# KiCad board Azusa.kicad_pcb
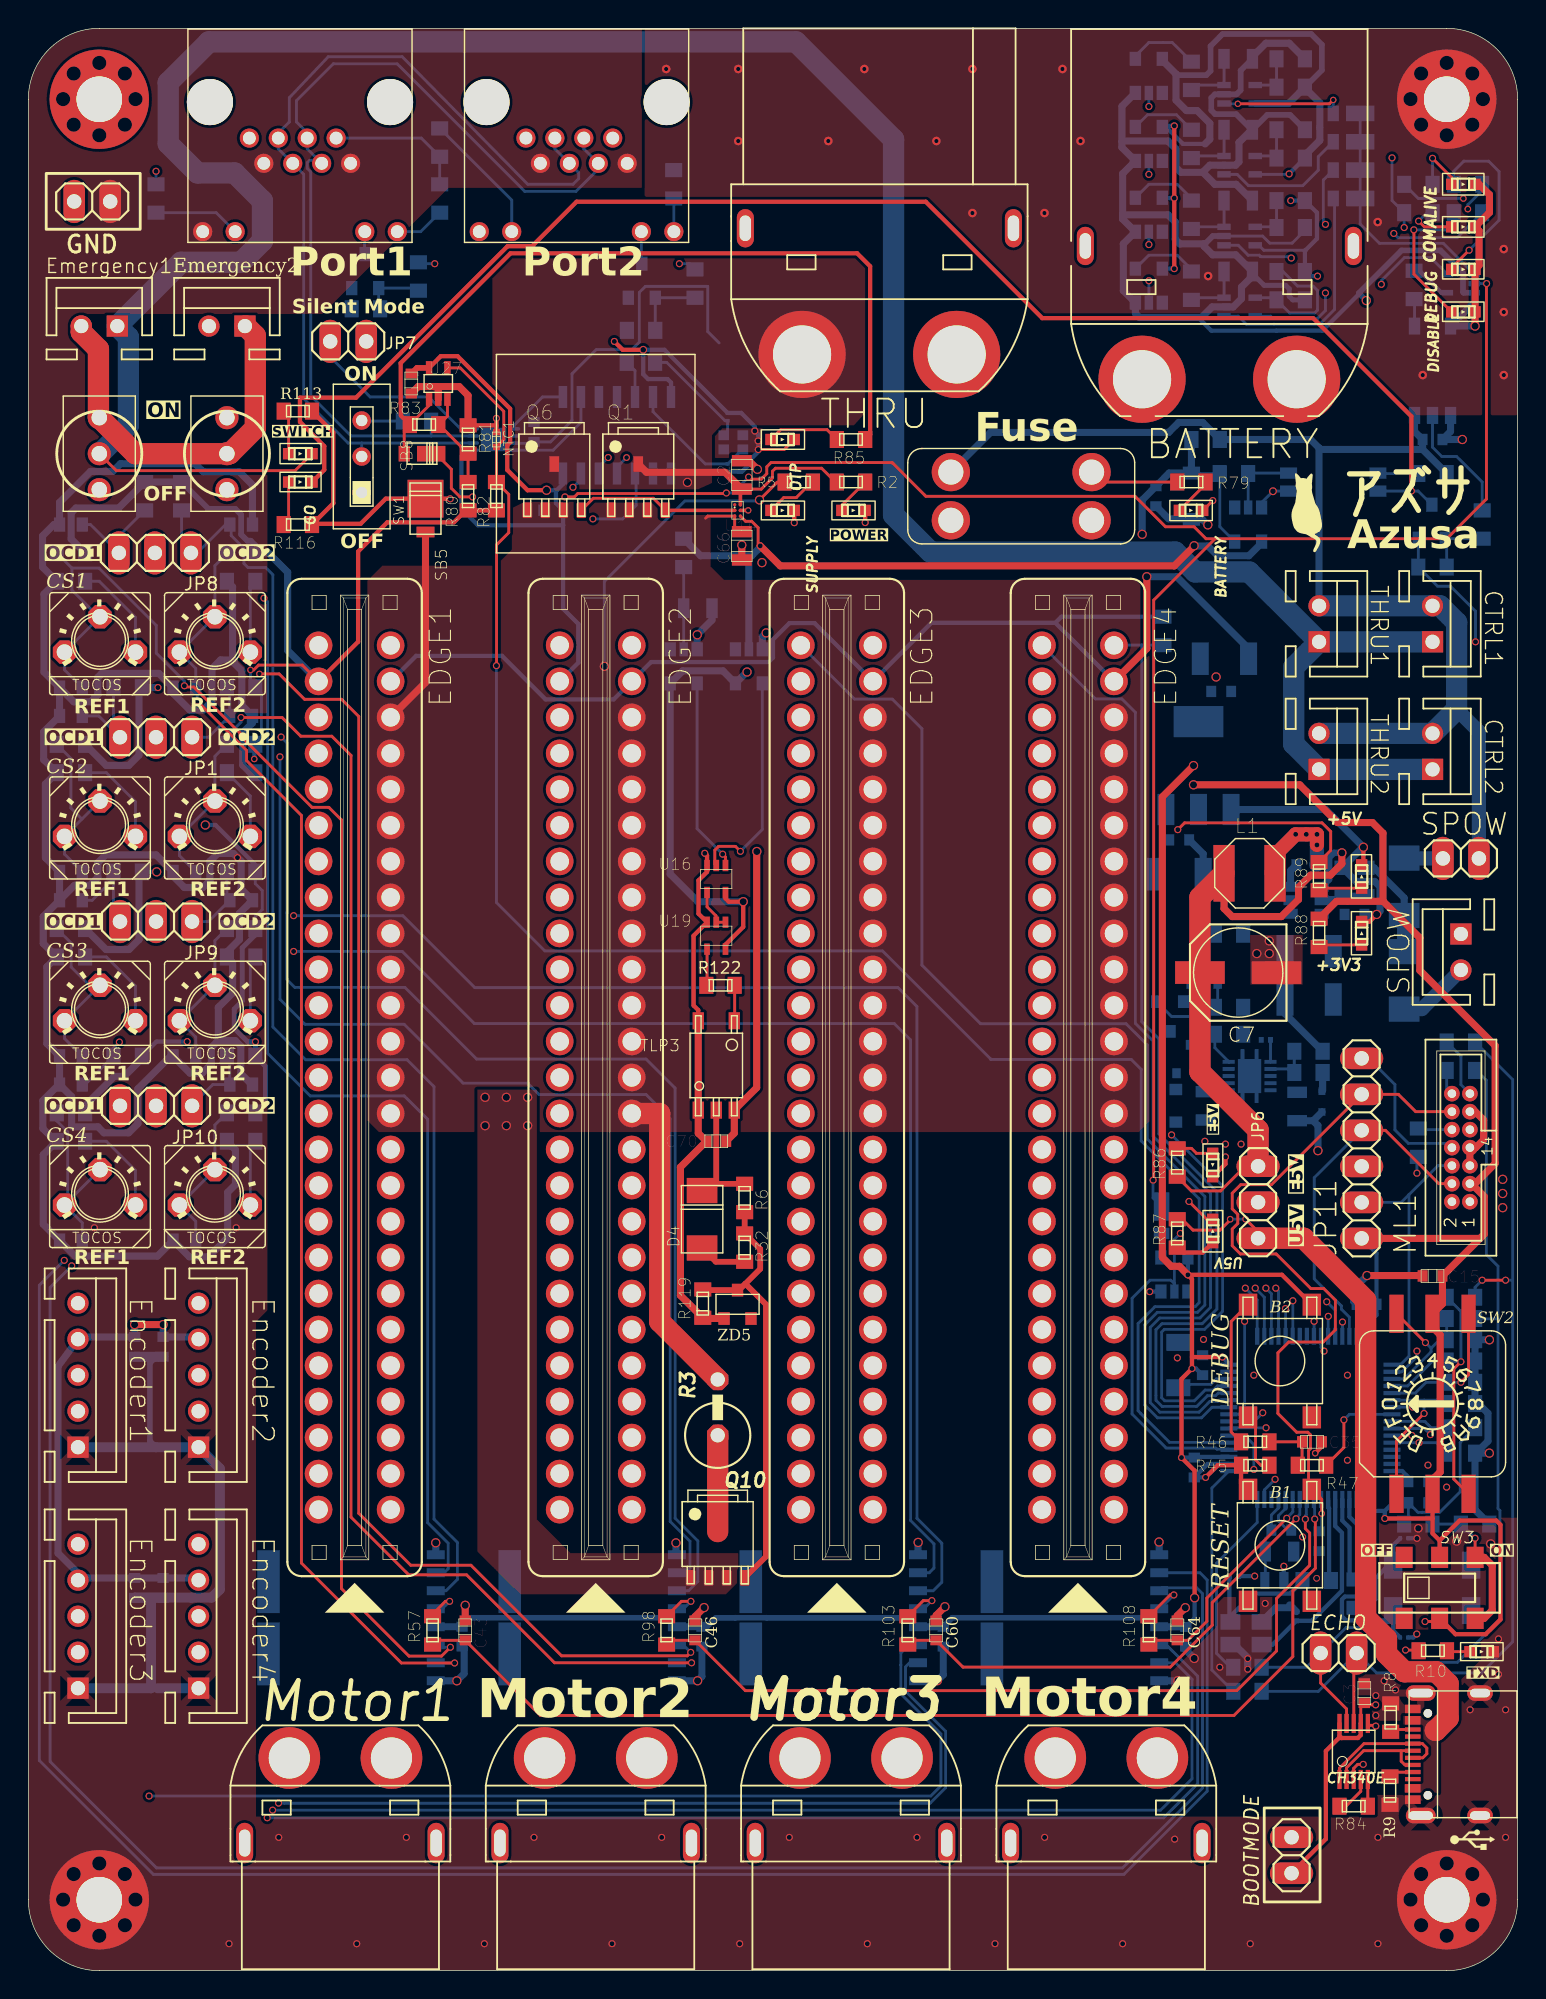
[diagram p0: board, top side]
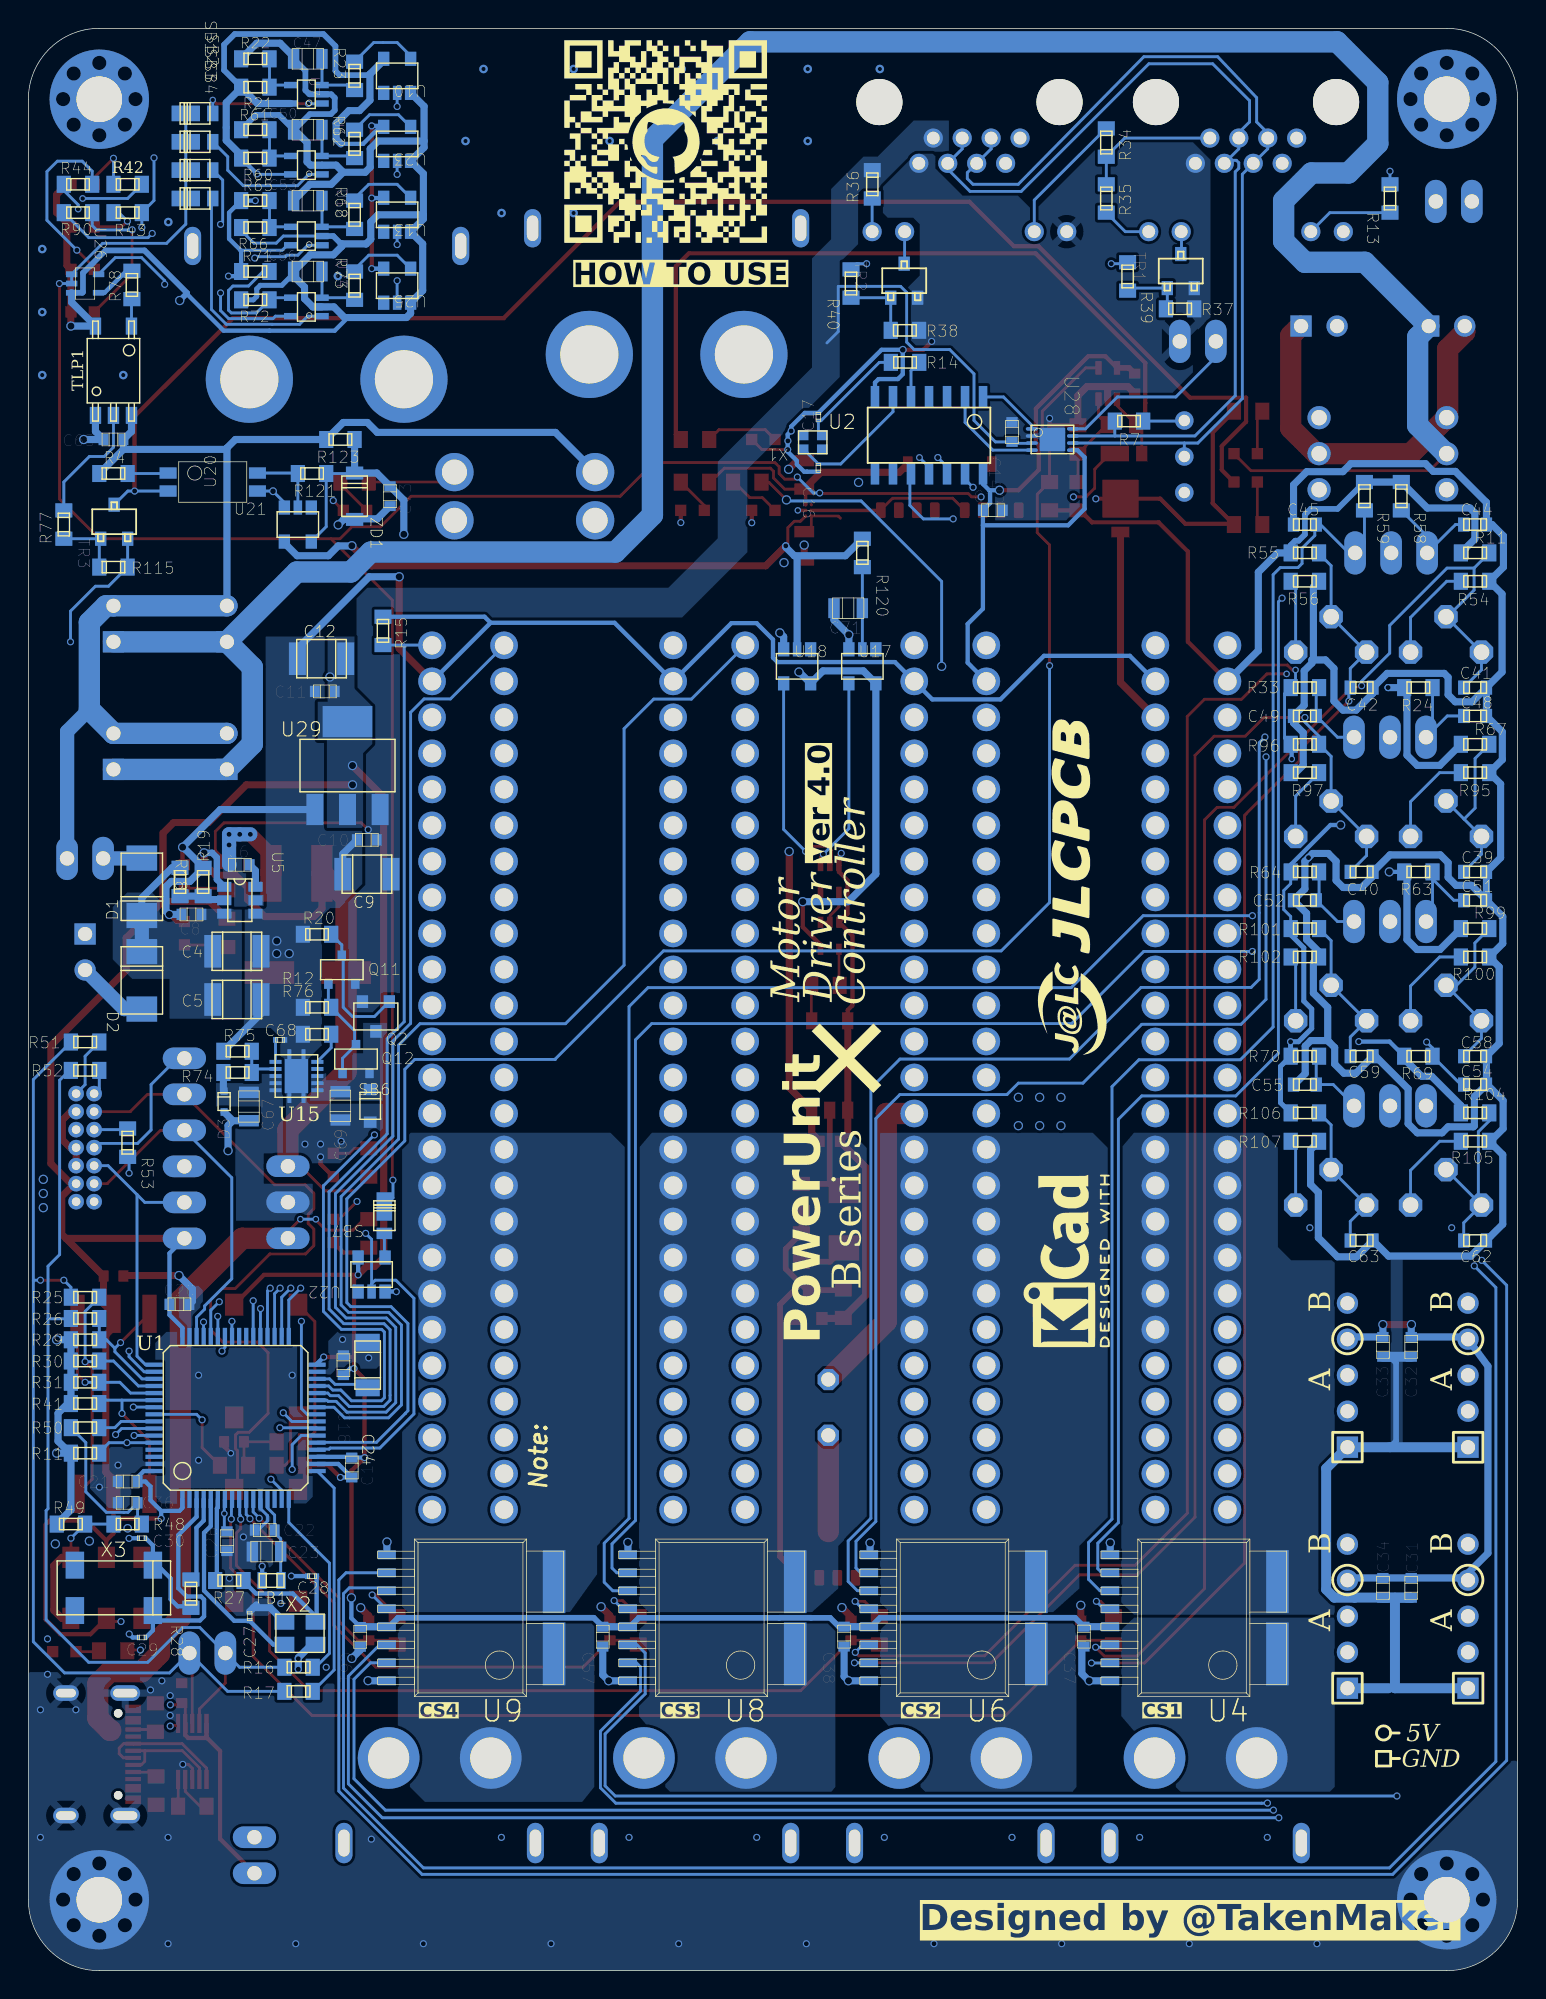
[diagram p1: board, bottom side, seen from below]

Outline 105 x 137 mm; copper layers: Top, In1.Cu, In2.Cu, Bottom. Coordinates in mm from the lower left corner of the outline.
Outline path: 0,132 0,5 arc(1.46,1.46) 5,0 100,0 arc(103.54,1.46) 105,5 105,132 arc(103.54,135.54) 100,137 5,137 arc(1.46,135.54) 0,132
Stack: Top 0.035mm / dielectric 0.48mm FR4 er 4.5 / In1.Cu 0.035mm / dielectric 0.48mm FR4 er 4.5 / In2.Cu 0.035mm / dielectric 0.48mm FR4 er 4.5 / Bottom 0.035mm

## Placement (name value [footprint] x y rotation side)
+3V3  -  [SML-E12V8WT86]  94 74 180 top
+5V  -  [SML-E12V8WT86]  94 78 180 top
ALIVE  -  [SML-E12V8WT86]  102 126 90 top
B1  -  [CS11029.5F100]  88.24 30 270 top
B2  -  [PTS645SM95SMTR92LFS]  88.24 43 270 top
BATTERY  -  [XT90PW-M]  83.97 112.25 0 top
BATTERY#2  -  [SML-E12V8WT86]  82.8 103 90 top
BOOTMODE  -  [1X02]  89.06 8.14 270 top
C2  -  [GRM21BC72A105KE01]  50.3 105.5 90 top
C3  -  [GCM188L81H104KA57]  94.19 19.57 270 top
C4  C4  [GRM32ER71H106KA12]  90.3 71.9 180 bottom
C5  C5  [GRM32ER71H106KA12]  90.3 68.5 180 bottom
C6  -  [GCM188L81H104KA57]  90.1 78 0 bottom
C7  C7  [A768EB566M1VLAE042]  85.3 70.4 180 top
C8  -  [GCM188L81H104KA57]  93.5 74.5 0 bottom
C9  C9  [3225M]  81.13 77.34 0 bottom
C10  -  [GCM188L81H104KA57]  81.14 79.76 0 bottom
C11  -  [GCM188L81H104KA57]  84.1 90.23 0 bottom
C12  C12  [3225M]  84.33 92.54 0 bottom
C13  -  [GCM188L81H104KA57]  37 103.01 0 bottom
C14  -  [GCM188L81H104KA57]  35.65 108.53 90 bottom
C15  -  [GCM188L81H104KA57]  99 49 180 top
C16  C16  [GRM0335C1H120GA01]  49.3 109.6 90 bottom
C17  C17  [GRM0335C1H120GA01]  49.3 106 270 bottom
C18  -  [GCM188L81H104KA57]  82.79 42.7 90 bottom
C19  -  [GCM188L81H104KA57]  82.2 35.49 270 bottom
C20  -  [GCM188L81H104KA57]  94.35 47 180 bottom
C21  -  [GCM188L81H104KA57]  98 34.5 0 bottom
C22  -  [GCM188L81H104KA57]  88.34 31.08 0 bottom
C23  -  [GRM21BC72A105KE01]  88.21 29.56 0 bottom
C24  C24  [GRM31CR71H475KA12]  81.08 42.71 90 bottom
C26  -  [GCM188L81H104KA57]  91 30.29 270 bottom
C27  -  [GRM0335C1E240GA01D]  89.4 25 270 bottom
C28  -  [GRM0335C1E240GA01D]  85 27.82 180 bottom
C29  C29  [GRM0335C1H120GA01]  97 23.5 180 bottom
C30  C30  [GRM0335C1H120GA01]  97 30.5 180 bottom
C31  -  [GCM188L81H104KA57]  7.5 27 270 bottom
C32  -  [GCM188L81H104KA57]  7.5 44 270 bottom
C33  -  [GCM188L81H104KA57]  9.5 44 270 bottom
C34  -  [GCM188L81H104KA57]  9.5 27 270 bottom
C35  -  [GCM188L81H104KA57]  90.5 37.3 0 top
C36  -  [GCM188L81H104KA57]  98 33 0 bottom
C37  -  [GCM188L81H104KA57]  30.58 23.56 90 bottom
C38  -  [GCM188L81H104KA57]  47.49 23.56 90 bottom
C39  C39  [GRM18]  3 77.5 180 bottom
C40  C40  [GRM18]  11 77.5 180 bottom
C41  C41  [GRM18]  3 90.5 180 bottom
C42  C42  [GRM18]  11 90.5 180 bottom
C43  -  [GCM188L81H104KA57]  30.8 24 270 top
C44  C44  [GRM18]  3 102 180 bottom
C45  C45  [GRM18]  15 102 0 bottom
C46  -  [GCM188L81H104KA57]  47 24 270 top
C47  -  [GRM21BC72A105KE01]  85.3 134.85 0 bottom
C48  C48  [GRM18]  3 88.5 180 bottom
C49  C49  [GRM18]  15 88.5 0 bottom
C50  -  [GRM21BC72A105KE01]  85.3 129.85 0 bottom
C51  C51  [GRM18]  3 75.5 180 bottom
C52  C52  [GRM18]  15 75.5 0 bottom
C53  -  [GRM21BC72A105KE01]  85.3 124.85 0 bottom
C54  C54  [GRM18]  3 62.5 180 bottom
C55  C55  [GRM18]  15 62.5 0 bottom
C56  -  [GRM21BC72A105KE01]  85.3 119.85 0 bottom
C57  -  [GCM188L81H104KA57]  64.5 23.56 90 bottom
C58  C58  [GRM18]  3 64.5 180 bottom
C59  C59  [GRM18]  11 64.5 180 bottom
C60  -  [GCM188L81H104KA57]  64 24 270 top
C61  -  [GCM188L81H104KA57]  81.6 23.54 90 bottom
C62  C62  [GRM18]  3 51.5 180 bottom
C63  C63  [GRM18]  11 51.5 180 bottom
C64  -  [GCM188L81H104KA57]  81 24 270 top
C65  -  [GCM188L81H104KA57]  99 108 0 bottom
C66  -  [GRM21BC72A105KE01]  50.3 100.5 270 top
C67  -  [GRM21BC72A105KE01]  89.45 60.95 270 bottom
C68  GRM0335C1H620GA01D  [GRM0335C1E240GA01D]  87.25 65.65 180 bottom
C69  -  [GRM21BC72A105KE01]  83 61 270 bottom
C70  -  [GCM188L81H104KA57]  48.5 58.5 180 top
C71  -  [GRM21BC72A105KE01]  47.2 96.1 0 bottom
C72  -  [GCM188L81H104KA57]  27 111.95 270 top
C73  -  [GCM188L81H104KA57]  79.5 104 270 bottom
COM  -  [SML-E12V8WT86]  102 123 90 top
CON4  -  [XT60PW-F]  76 15 180 top
CTRL1  02-JST  [B2B-XH]  99 95 270 top
CTRL2  02-JST  [B2B-XH]  99 86 270 top
D1  D1  [GS2M-LTP]  97 76.45 270 bottom
D2  D2  [GS2M-LTP]  97 69.85 90 bottom
D3  D3  [SOD-523]  91.2 61.3 270 bottom
D4  D4  [GS2M-LTP]  47.5 53 90 top
DEBUG  -  [SML-E12V8WT86]  102 120 90 top
DISABLE  -  [SML-E12V8WT86]  102 117 90 top
ECHO  -  [1X02]  92.38 22.4 180 top
EDGE1  10046971-019LF-FEMAL  [10046971-019LF]  23 63 90 top
EDGE2  10046971-019LF-FEMAL  [10046971-019LF]  40 63 90 top
EDGE3  10046971-019LF-FEMAL  [10046971-019LF]  57 63 90 top
EDGE4  10046971-019LF-FEMAL  [10046971-019LF]  74 63 90 top
Emergency1  02-JST  [B2B-XH]  5 116 0 top
Encoder1  -  [B5B-XH]  3.5 42 270 top
Encoder2  -  [B5B-XH]  12 42 270 top
Encoder3  -  [B5B-XH]  3.5 25 270 top
Encoder4  -  [B5B-XH]  12 25 270 top
FB1  FB1  [BLM18KG121TN1D]  87.85 27.52 180 bottom
FUSE1  -  [FUSEHOLDER-3568]  70 104 0 top
G***  LOGO  [cat]  90.18 103.15 0 top
G***#2  LOGO  [USB2.0]  101.69 9.29 0 top
G***#3  LOGO  [GitHub_QR]  60.06 129 180 bottom
G***#4  LOGO  [kicad]  31.76 49.97 90 bottom
G***#5  LOGO  [JLCPCB]  30.38 76.55 90 bottom
GND  -  [1X02]  4.5 124.79 180 top
GO  -  [SML-E12V8WT86]  20 105 90 top
H1  MOUNT-HOLE3.2(NORESIST)  [3,2]  5 132 0 top
H2  MOUNT-HOLE3.2(NORESIST)  [3,2]  100 132 0 top
H3  MOUNT-HOLE3.2(NORESIST)  [3,2]  100 5 270 top
H4  MOUNT-HOLE3.2(NORESIST)  [3,2]  5 5 180 bottom
HEATSINK1  -  [V2020B]  40 107 0 top
INV_SW2  02-JST  [B2B-XH]  14 116 0 top
JP1  -  [1X03]  9 87 180 top
JP6  -  [1X03]  86.7 54.2 90 top
JP7  -  [1X02]  22.55 114.92 180 top
JP8  -  [1X03]  8.92 100 180 top
JP9  -  [1X03]  9 74 180 top
JP10  -  [1X03]  9 61 180 top
JP11  -  [1X06]  94 58 90 top
L1  L1  [NRS5030T4R7MMGJ]  86.1 77.4 180 top
LED1  -  [SML-E12V8WT86]  59 103 90 top
LED3  -  [SML-E12V8WT86]  20 107 90 top
LED11  -  [SML-E12V8WT86]  83.5 56 0 top
ML1  -  [3220-14-0100-00]  101 58.05 90 top
MOTER  -  [XT60PW-F]  40 15 180 top
Motor1  -  [XT60PW-F]  22 15 180 top
Motor3  -  [XT60PW-F]  58 15 180 top
NTC1  NTC1  [NCU15WB473F60RC]  33 108 270 top
OTP  -  [SML-E12V8WT86]  54 108 90 top
Q1  Q1  [SQJA16EP-T1_GE3]  43 105 0 top
Q2  Q2  [SOT-23F]  80.5 67.3 0 bottom
Q6  Q6  [SQJA16EP-T1_GE3]  37.08 105 0 top
Q10  Q10  [SQJA16EP-T1_GE3]  48.6 29.7 0 top
Q11  Q11  [TMBT3906]  82.9 70.6 180 bottom
Q12  Q12  [TMBT3906]  81.9 64.3 180 bottom
R1  R11  [CR0603]  3 100 0 bottom
R2  R2  [CR0603]  58 105 0 top
R3  10  [0411V]  48.6 40.3 90 top
R4  R4  [CR0603]  99 105.6 180 bottom
R5  R5  [CR0603]  54.32 105 0 top
R6  R6  [CR0603]  50.5 54.5 270 top
R7  R7  [CR0603]  27.4 109.3 0 bottom
R8  R8  [CR0603]  96.05 17.85 270 top
R9  5.1k  [CR0603]  96 12.7 90 top
R10  R10  [CR0603]  99.02 22.56 180 top
R11  R11  [CR0603]  101 36.5 0 bottom
R12  R12  [CR0603]  84.65 67.95 180 bottom
R13  R13  [CR0603]  9 125 90 bottom
R14  R14  [CR0603]  43.19 113.44 0 bottom
R15  R15  [CR0603]  80 94.5 270 bottom
R16  R16  [CR0603]  85.95 21.4 0 bottom
R17  R17  [CR0603]  85.95 19.7 0 bottom
R18  R18  [CR0603]  94.31 76.79 90 bottom
R19  R19  [CR0603]  92.68 76.79 270 bottom
R20  R20  [CR0603]  84.65 73.1 180 bottom
R21  R21  [CR0603]  89 132.85 180 bottom
R22  R22  [CR0603]  89 134.85 0 bottom
R23  R23  [CR0603]  82 133.65 90 bottom
R24  R24  [CR0603]  7 90.5 0 bottom
R25  R25  [CR0603]  101 47.5 180 bottom
R26  R26  [CR0603]  101 46 180 bottom
R27  R27  [CR0603]  90.83 27.52 0 bottom
R28  R28  [CR0603]  93.54 26.59 90 bottom
R29  R29  [CR0603]  101 44.5 180 bottom
R30  R30  [CR0603]  101 43 180 bottom
R31  R31  [CR0603]  101 41.5 180 bottom
R32  R32  [CR0603]  50.5 51 90 top
R33  R33  [CR0603]  15 90.5 0 bottom
R34  R34  [CR0603]  29 128.94 270 bottom
R35  R35  [CR0603]  29 125 270 bottom
R36  R36  [CR0603]  45.5 126 270 bottom
R37  R37  [CR0603]  23.8 117.22 0 bottom
R38  R38  [CR0603]  43.2 115.7 0 bottom
R39  R39  [CR0603]  27.5 119.5 90 bottom
R40  R40  [CR0603]  47 119 90 bottom
R41  R41  [CR0603]  101 40 180 bottom
R42  100  [CR0603]  98 126 180 bottom
R43  R43  [CR0603]  98 124 180 bottom
R44  R44  [CR0603]  101.5 126 0 bottom
R45  R45  [CR0603]  86.5 35.65 180 top
R46  R46  [CR0603]  86.5 37.3 0 top
R47  R47  [CR0603]  90.5 35.65 0 top
R48  R48  [CR0603]  98 31.5 180 bottom
R49  R49  [CR0603]  102 31.5 0 bottom
R50  R50  [CR0603]  101 38.3 180 bottom
R51  R51  [CR0603]  101 65.5 0 bottom
R52  R52  [CR0603]  101 63.5 180 bottom
R53  R53  [CR0603]  98 58.4 90 bottom
R54  R54  [CR0603]  3 98 0 bottom
R55  R55  [CR0603]  15 100 0 bottom
R56  R56  [CR0603]  15 98 0 bottom
R57  R57  [CR0603]  28.5 24 90 top
R58  R58  [CR0603]  8.2 104 90 bottom
R59  R59  [CR0603]  10.8 104 90 bottom
R60  R60  [CR0603]  89 127.85 180 bottom
R61  R61  [CR0603]  89 129.85 0 bottom
R62  R62  [CR0603]  82 128.85 90 bottom
R63  R63  [CR0603]  7 77.5 0 bottom
R64  R64  [CR0603]  15 77.5 0 bottom
R65  R65  [CR0603]  89 124.85 180 bottom
R66  R66  [CR0603]  89 122.95 0 bottom
R67  R67  [CR0603]  3 86.5 0 bottom
R68  R68  [CR0603]  82 123.85 90 bottom
R69  R69  [CR0603]  7 64.5 0 bottom
R70  R70  [CR0603]  15 64.5 0 bottom
R71  R71  [CR0603]  89 119.85 180 bottom
R72  R72  [CR0603]  89 117.85 0 bottom
R73  R73  [CR0603]  82 118.85 90 bottom
R74  R74  [CR0603]  90.25 63.35 0 bottom
R75  R75  [CR0603]  90.25 64.85 180 bottom
R76  R76  [CR0603]  84.65 66.05 180 bottom
R77  R77  [CR0603]  102.5 102 270 bottom
R78  R78  [CR0603]  97.7 118.9 270 bottom
R79  R79  [CR0603]  82 105 0 top
R80  R80  [CR0603]  31 104 90 top
R81  R81  [CR0603]  31 108 90 top
R82  R82  [CR0603]  33 104 90 top
R83  R83  [CR0603]  27.9 109.05 180 top
R84  R84  [CR0603]  93.44 11.6 180 top
R85  R85  [CR0603]  58 108 180 top
R86  R86  [CR0603]  81 57 270 top
R87  R87  [CR0603]  81 52 90 top
R88  R88  [CR0603]  91 73.2 90 top
R89  R89  [CR0603]  91 77.2 90 top
R90  R90  [CR0603]  101.5 124 0 bottom
R95  R95  [CR0603]  3 84.5 0 bottom
R96  R96  [CR0603]  15 86.5 0 bottom
R97  R97  [CR0603]  15 84.5 180 bottom
R98  R98  [CR0603]  45 24 90 top
R99  R99  [CR0603]  3 73.5 0 bottom
R100  R100  [CR0603]  3 71.5 0 bottom
R101  R101  [CR0603]  15 73.5 0 bottom
R102  R102  [CR0603]  15 71.5 0 bottom
R103  R103  [CR0603]  62 24 90 top
R104  R104  [CR0603]  3 60.5 0 bottom
R105  R105  [CR0603]  3 58.5 0 bottom
R106  R106  [CR0603]  15 60.5 0 bottom
R107  R107  [CR0603]  15 58.5 0 bottom
R108  R108  [CR0603]  79 24 90 top
R113  1.1k  [CR0603]  19 110 180 top
R115  R115  [CR0603]  99 99 0 bottom
R116  R116  [CR0603]  19 102 180 top
R119  R119  [CR0603]  47.55 47.05 90 top
R120  R120  [CR0603]  46.2 100 90 bottom
R121  R121  [CR0603]  85 105.6 180 bottom
R122  R122  [CR0603]  48.8 69.5 0 top
R123  R123  [CR0603]  83 108 0 bottom
RJ45_1  -  [MTJ-88ARX1-LH]  25.5 131.8 180 top
RJ45_2  -  [MTJ-88ARX1-LH]  45 131.8 180 top
SB1  -  [RSX101VAM-30TR]  92 131 90 bottom
SB2  -  [RSX101VAM-30TR]  92 129 90 bottom
SB3  -  [RSX101VAM-30TR]  92 127 90 bottom
SB4  -  [RSX101VAM-30TR]  92 125 90 bottom
SB5  SB5  [V2P22LHM3_H]  28 102.65 270 top
SB6  SB6  [1SS404,H3F]  80.9 61 0 bottom
SB7  -  [RSX101VAM-30TR]  79.9 52 180 bottom
SB8  -  [RSX101VAM-30TR]  26.5 107 270 top
SPOW  02-JST  [B2B-XH]  101 71.85 90 top
SPOW#2  -  [1X02]  101 78.45 180 top
SUPPLY  -  [SML-E12V8WT86]  54 103 90 top
SW1  SW1  [SS-12SDP2]  23.5 106.8 90 top
SW2  -  [RDS-16S-1055-SMT-TR]  99 39.98 90 top
SW3  SW3  [SSSS213202]  99.5 27 0 top
SW4  -  [2MS1-T2-B4-M2-Q-E-S]  5 107 180 top
SW5  -  [2MS1-T2-B4-M2-Q-E-S]  14 107 180 top
THRU  -  [XT90PW-F]  60 114 0 top
THRU1  02-JST  [B2B-XH]  91 95 270 top
THRU2  02-JST  [B2B-XH]  91 86 270 top
TLP1  -  [TLP152]  99 116 0 bottom
TLP3  TLP3  [TLP152]  48.5 67 180 top
TP1  GF063PB103K  [GF063PB104K]  1.5 90 0 top
TP2  GF063PB103K  [GF063PB104K]  9.6 90 0 top
TP3  GF063PB103K  [GF063PB104K]  1.5 77 0 top
TP4  GF063PB103K  [GF063PB104K]  9.6 77 0 top
TP5  GF063PB103K  [GF063PB104K]  1.5 64 0 top
TP6  GF063PB103K  [GF063PB104K]  9.6 64 0 top
TP7  GF063PB103K  [GF063PB104K]  1.5 51 0 top
TP8  GF063PB103K  [GF063PB104K]  9.6 51 0 top
TR1  -  [2SC3325]  22.8 118.68 90 bottom
TR2  -  [2SC3325]  42.3 118 90 bottom
TR3  -  [2SC3325]  98 101 90 bottom
TXD  SMLE13BC8T  [SML-E12V8WT86]  103.29 22.5 90 top
U1  LQFP64  [STM32F446XC]  90.39 38.99 180 bottom
U2  U2  [MCP2517FD]  37.69 111 0 bottom
U3  CH340E  [MSOP-10]  93.44 15.46 0 top
U4  U4  [CZ3A07]  18.88 30.44 0 bottom
U5  U5  [AP63203WU-7]  90.09 75.5 270 bottom
U5V  -  [SML-E12V8WT86]  83.5 53 180 top
U6  U6  [CZ3A07]  35.88 30.44 0 bottom
U7  U7  [SC-70-5]  86.5 132.35 270 bottom
U8  U8  [CZ3A07]  52.88 30.44 0 bottom
U9  U9  [CZ3A07]  69.88 30.44 0 bottom
U10  U10  [TC7S14F]  79 133.65 180 bottom
U11  U11  [SC-70-5]  86.5 127.35 270 bottom
U12  U12  [SC-70-5]  86.5 122.35 270 bottom
U13  U13  [TC7S14F]  79 123.85 180 bottom
U14  U14  [TCK420G]  50 103 0 top
U15  TCKE805NAWSON10B_TOS-REC  [WSON10B_TOS-RIC]  86.1 63.1 180 bottom
U16  U16  [SSOP5-P-0.65A]  48.5 77 180 top
U17  U17  [TC7S14F]  46.2 92 0 bottom
U18  U18  [TC7S14F]  50.8 92 0 bottom
U19  U19  [SSOP5-P-0.65A]  48.5 73 180 top
U20  U20  [TLP293]  92 105 270 bottom
U21  U21  [TC7S14F]  86 102 0 bottom
U22  U22  [TC7S14F]  80.8 49.1 180 bottom
U23  U23  [TC7S14F]  79 128.85 180 bottom
U24  U24  [SC-70-5]  86.5 117.35 270 bottom
U25  U25  [TC7S14F]  79 118.85 180 bottom
U26  U26  [SSOP5-P-0.65A]  101 119 270 bottom
U27  U27  [SC-70-5]  28.9 113.05 180 top
U$1  U28  [MCP2558FD]  32.8 108 270 bottom
U$4  U29  [AZ1117C]  82.5 85 180 bottom
USB1  -  [5077CR-16SMC2-BK-TR]  102.35 15.26 90 top
X1  XRCGB40M000F4M01R0  [XRCGB40M000F4M00R0]  49.7 107.8 180 bottom
X2  -  [RH100-24.000-18-1020-EXT-TR]  85.85 23.8 180 bottom
X3  32.768K12.5PI/MC306  [32.768K12.5PI_MC306]  98.97 27 0 bottom
ZD1  ZD1  [MMSZ5231B-TP]  82 104 90 bottom
ZD5  -  [MMBZ5248B-TP]  50 47 0 top

## Footprints (pads in the part's own frame, mm; a bottom-side part is the same pattern mirrored in y, then rotated)
1SS404,H3F
  rect 0.9x0.8 smd: A(0,1.15) C(0,-1.15)
1X02
  oval 1.524x3.048 hole 1.016: 1(-1.27,0) 2(1.27,0)
1X03
  oval 1.524x3.048 hole 1.016: 1(-2.54,0) 2(0,0) 3(2.54,0)
1X06
  oval 1.524x3.048 hole 1.016: 1(-6.35,0) 2(-3.81,0) 3(-1.27,0) 4(1.27,0) 5(3.81,0) 6(6.35,0)
2MS1-T2-B4-M2-Q-E-S
  round 1.635 hole 1.09: O(0,-2.54) P(0,0) S(0,2.54)
2SC3325
  rect 1x0.8 smd: B(0,1.9) C(2.4,0.95) E(0,0)
3,2
  round 3.2 hole 3.2 unplated: (0,0)
  round 7.01 hole 3.197: P$1(0,0)
32.768K12.5PI_MC306
  rect 1.3x1.9 smd: 1(-2.75,-1.6) 2(2.75,-1.6) 3(2.75,1.6) 4(-2.75,1.6)
0411V
  rrect 1.5x1.5 hole 1: 1(-2.54,0) 2(1.397,0)
3220-14-0100-00
  round 1.1 hole 0.6: 1(-3.81,-0.635) 2(-3.81,0.635) 3(-2.54,-0.635) 4(-2.54,0.635) 5(-1.27,-0.635) 6(-1.27,0.635) 7(0,-0.635) 8(0,0.635) 9(1.27,-0.635) 10(1.27,0.635) 11(2.54,-0.635) 12(2.54,0.635) 13(3.81,-0.635) 14(3.81,0.635)
3225M
  rect 1.2x2.3 smd: L(-1.7,0) R(1.7,0)
5077CR-16SMC2-BK-TR
  round 0.6 hole 0.6 unplated: (-2.89,3.68) (2.89,3.68)
  rect 0.3x1.1 smd: CC1(-1.25,4.74) CC2(1.75,4.74) DN1(0.25,4.74) DN2(-0.75,4.74) DP1(-0.25,4.74) DP2(0.75,4.74) SBU1(1.25,4.74) SBU2(-1.75,4.74)
  rect 0.6x1.1 smd: GND1(-3.2,4.74) GND2(3.2,4.74) VBUS1(-2.4,4.74) VBUS2(2.4,4.74)
  oval 1.1x2.1 hole 0.6x1.7: SHIELD1(-4.32,4.18) SHIELD4(4.32,4.18)
  oval 1.1x1.8 hole 0.6x1.4: SHIELD2(-4.32,0) SHIELD3(4.32,0)
10046971-019LF
  round 1.95 hole 1.3: P$1(-30.48,-2.54) P$2(-27.94,-2.54) P$3(-25.4,-2.54) P$4(-22.86,-2.54) P$5(-20.32,-2.54) P$6(-17.78,-2.54) P$7(-15.24,-2.54) P$8(-12.7,-2.54) P$9(-10.16,-2.54) P$10(-7.62,-2.54) P$11(-5.08,-2.54) P$12(-2.54,-2.54) P$13(0,-2.54) P$14(2.54,-2.54) P$15(5.08,-2.54) P$16(7.62,-2.54) P$17(10.16,-2.54) P$18(12.7,-2.54) P$19(15.24,-2.54) P$20(17.78,-2.54) P$21(20.32,-2.54) P$22(22.86,-2.54) P$23(25.4,-2.54) P$24(27.94,-2.54) P$25(30.48,-2.54) P$26(30.48,2.54) P$27(27.94,2.54) P$28(25.4,2.54) P$29(22.86,2.54) P$30(20.32,2.54) P$31(17.78,2.54) P$32(15.24,2.54) P$33(12.7,2.54) P$34(10.16,2.54) P$35(7.62,2.54) P$36(5.08,2.54) P$37(2.54,2.54) P$38(0,2.54) P$39(-2.54,2.54) P$40(-5.08,2.54) P$41(-7.62,2.54) P$42(-10.16,2.54) P$43(-12.7,2.54) P$44(-15.24,2.54) P$45(-17.78,2.54) P$46(-20.32,2.54) P$47(-22.86,2.54) P$48(-25.4,2.54) P$49(-27.94,2.54) P$50(-30.48,2.54)
A768EB566M1VLAE042
  rect 3.5x1.6 smd: ANODE(2.7,0) CATHODE(-2.7,0)
AP63203WU-7
  rect 0.7x1 smd: BST(-0.95,1.099) EN(0,-1.099) FB(-0.95,-1.099) GND(0.95,1.099) SW(0,1.099) VIN(0.95,-1.099)
AZ1117C
  rect 1.2x2.2 smd: GND(-2.3,-3.1) INPUT(2.3,-3.1) OUTPUT(0,-3.1)
  rect 3.5x2.2 smd: VOUT(0,3.1)
B2B-XH
  rect 1.5x1.5 hole 1: 1(1.27,0)
  round 1.5 hole 1: 2(-1.27,0)
B5B-XH
  rect 1.5x1.5 hole 1: 1(5.08,0)
  round 1.5 hole 1: 2(2.54,0) 3(0,0) 4(-2.54,0) 5(-5.08,0)
BLM18KG121TN1D
  rect 0.65x1.2 smd: 1(-0.675,0) 2(0.675,0)
CR0603
  rect 1x1.2 smd: LEFT(-1,0) RIGHT(1,0)
CS11029.5F100
  rect 1.5x1.3 smd: 1(-3.95,2.25) 2(3.95,2.25) 3(-3.95,-2.25) 4(3.95,-2.25)
CZ3A07
  rect 1.59x4.44 smd: IN(-1.945,3) IP(-1.945,8.1)
  rect 1.27x0.635 smd: OCD1(9.845,2.375) OCD2(9.845,3.645) REF1(9.845,7.455) REF2(9.845,8.725) VDD(9.845,6.185) VOUT(9.845,4.915) VSS1(9.845,1.105) VSS2(9.845,9.995)
FUSEHOLDER-3568
  round 2.7 hole 1.77: L1(-4.96,1.7) L2(-4.96,-1.7) R1(4.96,1.7) R2(4.96,-1.7)
GCM188L81H104KA57
  rect 0.7x0.8 smd: P$1(-0.7,0) P$2(0.7,0)
GF063PB104K
  rrect 1.65x1.65 hole 1.1: CENTER(3.55,5.5) LEFT(1.05,3) RIGHT(6.05,3)
GRM18
  rect 0.8x1 smd: L(-0.8,0) R(0.8,0)
GRM21BC72A105KE01
  rect 0.8x1.4 smd: P$1(-1,0) P$2(1,0)
GRM31CR71H475KA12
  rect 1.2x1.7 smd: 1(-1.6,0) 2(1.6,0)
GRM32ER71H106KA12
  rect 1.2x2.3 smd: L(-1.7,0) R(1.7,0)
GRM0335C1E240GA01D
  rect 0.35x0.4 smd: 1(-0.325,0) 2(0.325,0)
GRM0335C1H120GA01
  rect 0.25x0.3 smd: 1(-0.275,0) 2(0.275,0)
GS2M-LTP
  rect 1.78x2.16 smd: A(-2.025,0) C(2.025,0)
MCP2517FD
  rect 0.6x1.55 smd: CLKO/SOF(2.54,0) INT(3.81,0) INT0/GPIO0(6.35,5.4) INT1/GPIO1(7.62,5.4) NCS(1.27,5.4) OSC1(6.35,0) OSC2(5.08,0) RXCAN(1.27,0) SCK(5.08,5.4) SDI(3.81,5.4) SDO(2.54,5.4) TXCAN(0,0) VDD(0,5.4) VSS(7.62,0)
MCP2558FD
  rrect 0.25x0.85 smd: CANH(-0.25,1.45) CANL(0.25,1.45) RXD(0.75,-1.45) S(-0.75,1.45) TXD(-0.75,-1.45) VDD(0.25,-1.45) VIO(0.75,1.45) VSS(-0.25,-1.45)
  rect 1.65x1.8 smd: EP(0,0)
MMBZ5248B-TP
  rect 0.8x0.9 smd: ANODE(-0.95,-1) CATHODE(0,1) NC(0.95,-1)
MMSZ5231B-TP
  rect 0.91x1.22 smd: ANODE(-1.635,0) CATHODE(1.635,0)
MSOP-10
  rect 0.3x1.35 smd: 3V3(-1,1.975) CTS#(1,-1.975) GND(0,-1.975) RTS#(0.5,-1.975) RXD(-0.5,1.975) TNOW(1,1.975) TXD(0,1.975) UD+(-1,-1.975) UD-(-0.5,-1.975) VCC(0.5,1.975)
MTJ-88ARX1-LH
  round 3.25 hole 3.25 unplated: (0,0) (12.7,0)
  round 1.35 hole 0.9: 1(9.92,2.54) 2(8.9,4.32) 3(7.88,2.54) 4(6.86,4.32) 5(5.84,2.54) 6(4.82,4.32) 7(3.8,2.54) 8(2.78,4.32) LED1_A(-0.51,9.14) LED1_K(1.78,9.14) LED2_A(10.92,9.14) LED2_K(13.21,9.14)
NCU15WB473F60RC
  rect 0.45x0.5 smd: L(-0.525,0) R(0.525,0)
NRS5030T4R7MMGJ
  rect 1.5x4 smd: L(-1.8,0) R(1.8,0)
PTS645SM95SMTR92LFS
  rect 1.55x1.3 smd: 1(-3.975,2.25) 2(3.975,2.25) 3(-3.975,-2.25) 4(3.975,-2.25)
RDS-16S-1055-SMT-TR
  rect 2.7x1 smd: 1(-6.35,2.54) 2(6.35,-2.54) 4(-6.35,-2.54) 8(6.35,2.54) C1(-6.35,0) C2(6.35,0)
RH100-24.000-18-1020-EXT-TR
  rect 1.4x1.1 smd: 1(-1.1,-0.8) 2(1.1,-0.8) 3(1.1,0.8) 4(-1.1,0.8)
RSX101VAM-30TR
  rect 1.1x0.8 smd: A(0,0)
  rect 1.1x2 smd: C(0,1.9)
SC-70-5
  rect 0.45x0.95 smd: IN+(-0.65,2.2) IN-(-0.65,0) OUT(0.65,2.2) VDD(0.65,0) VSS(0,2.2)
SML-E12V8WT86
  rect 0.8x0.8 smd: A(0,1.65) K(0,0)
SOD-523
  rect 0.53x0.5 smd: A(0.735,0) C(-0.735,0)
SOT-23F
  rect 0.8x0.9 smd: D(0,1.05) G(-0.95,-1.05) S(0.95,-1.05)
SQJA16EP-T1_GE3
  rect 0.68x1.1 smd: D(0,1.27)
  rrect 0.68x1.1 smd: G(1.905,-1.99) S1(-1.905,-1.99) S2(-0.635,-1.99) S3(0.635,-1.99)
SS-12SDP2
  round 1.3 hole 0.8: C(0,0) L(-2.54,0) R(2.54,0)
SSOP5-P-0.65A
  rect 0.4x0.8 smd: GND(0.65,-0.95) INA(0,-0.95) INB(-0.65,-0.95) OUT(0.65,0.95) VCC(-0.65,0.95)
SSSS213202
  rect 1.2x1.5 smd: 1A(-2.5,2.15) 1B(-2.5,-2.15) 2A(0,2.15) 2B(0,-2.15) 3A(2.5,2.15) 3B(2.5,-2.15)